# Altium PCB LCL Atari Punk V2.PcbDoc
Units mm, origin at the board's own origin, x right, y up, seen from the top; angles counter-clockwise.
Board outline 80 x 49 mm, 2 copper layers (Top Layer, Bottom Layer), stack 1.671 mm thick; 22 components, 12 nets, 81 pads, 0 vias.
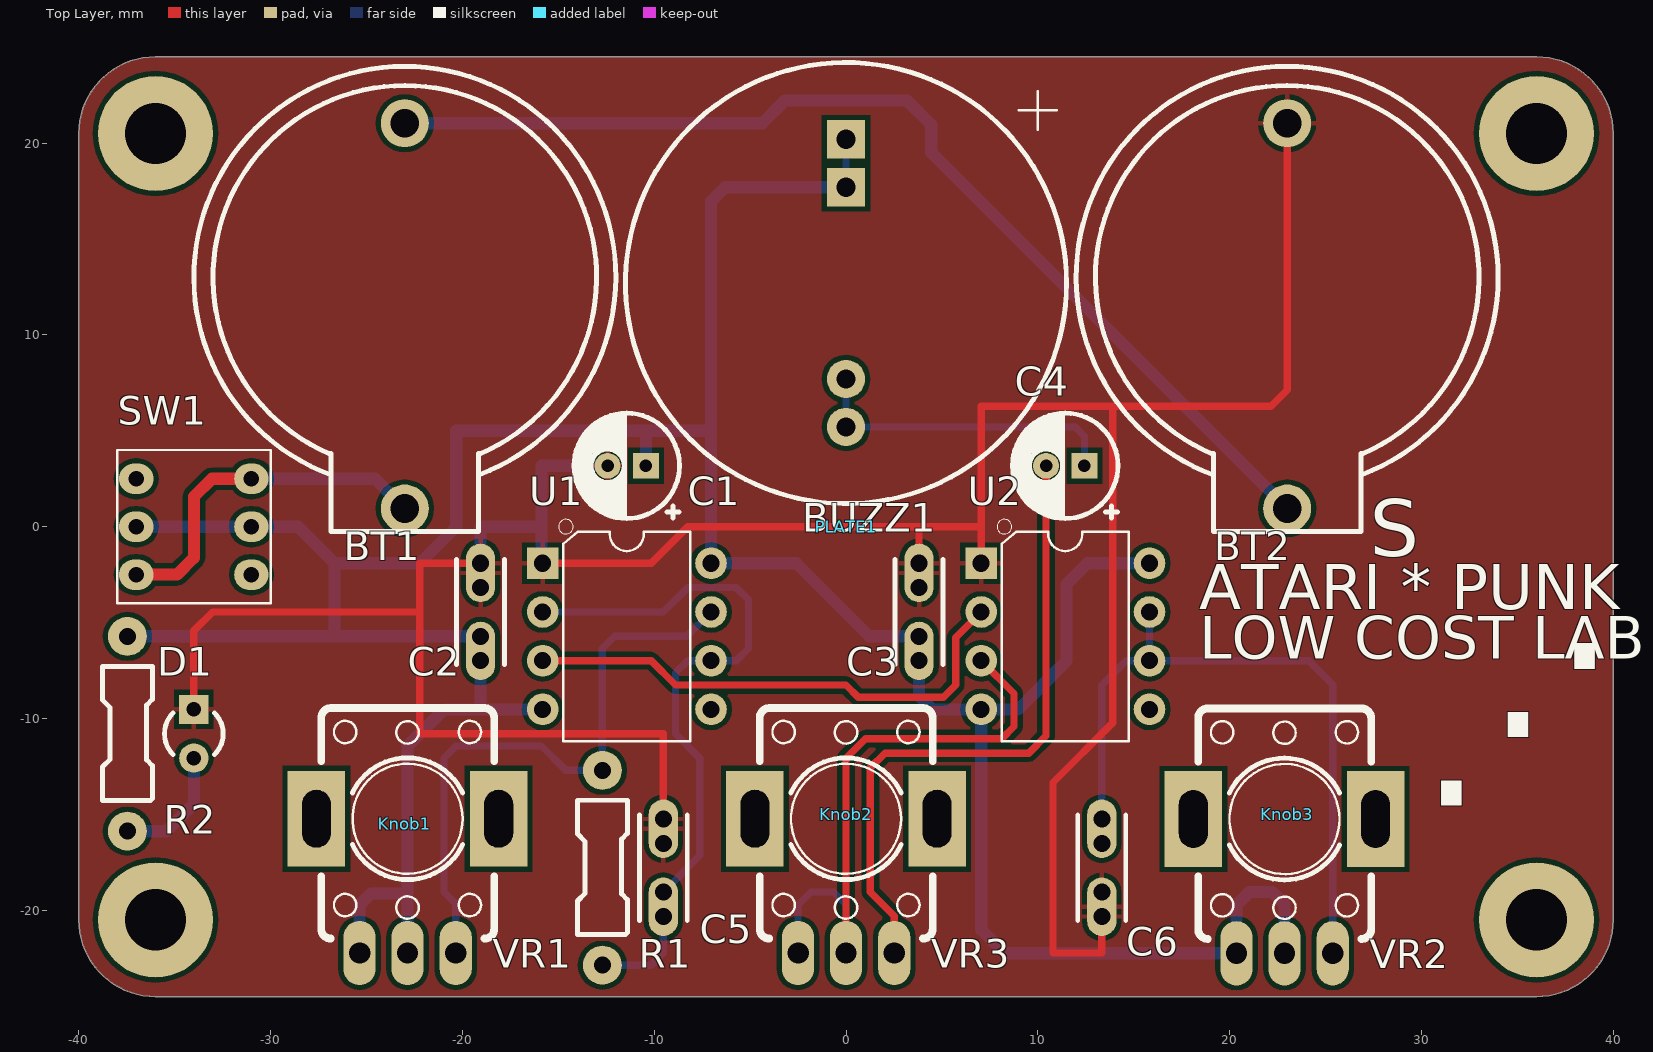
[diagram p0: Top Layer view]
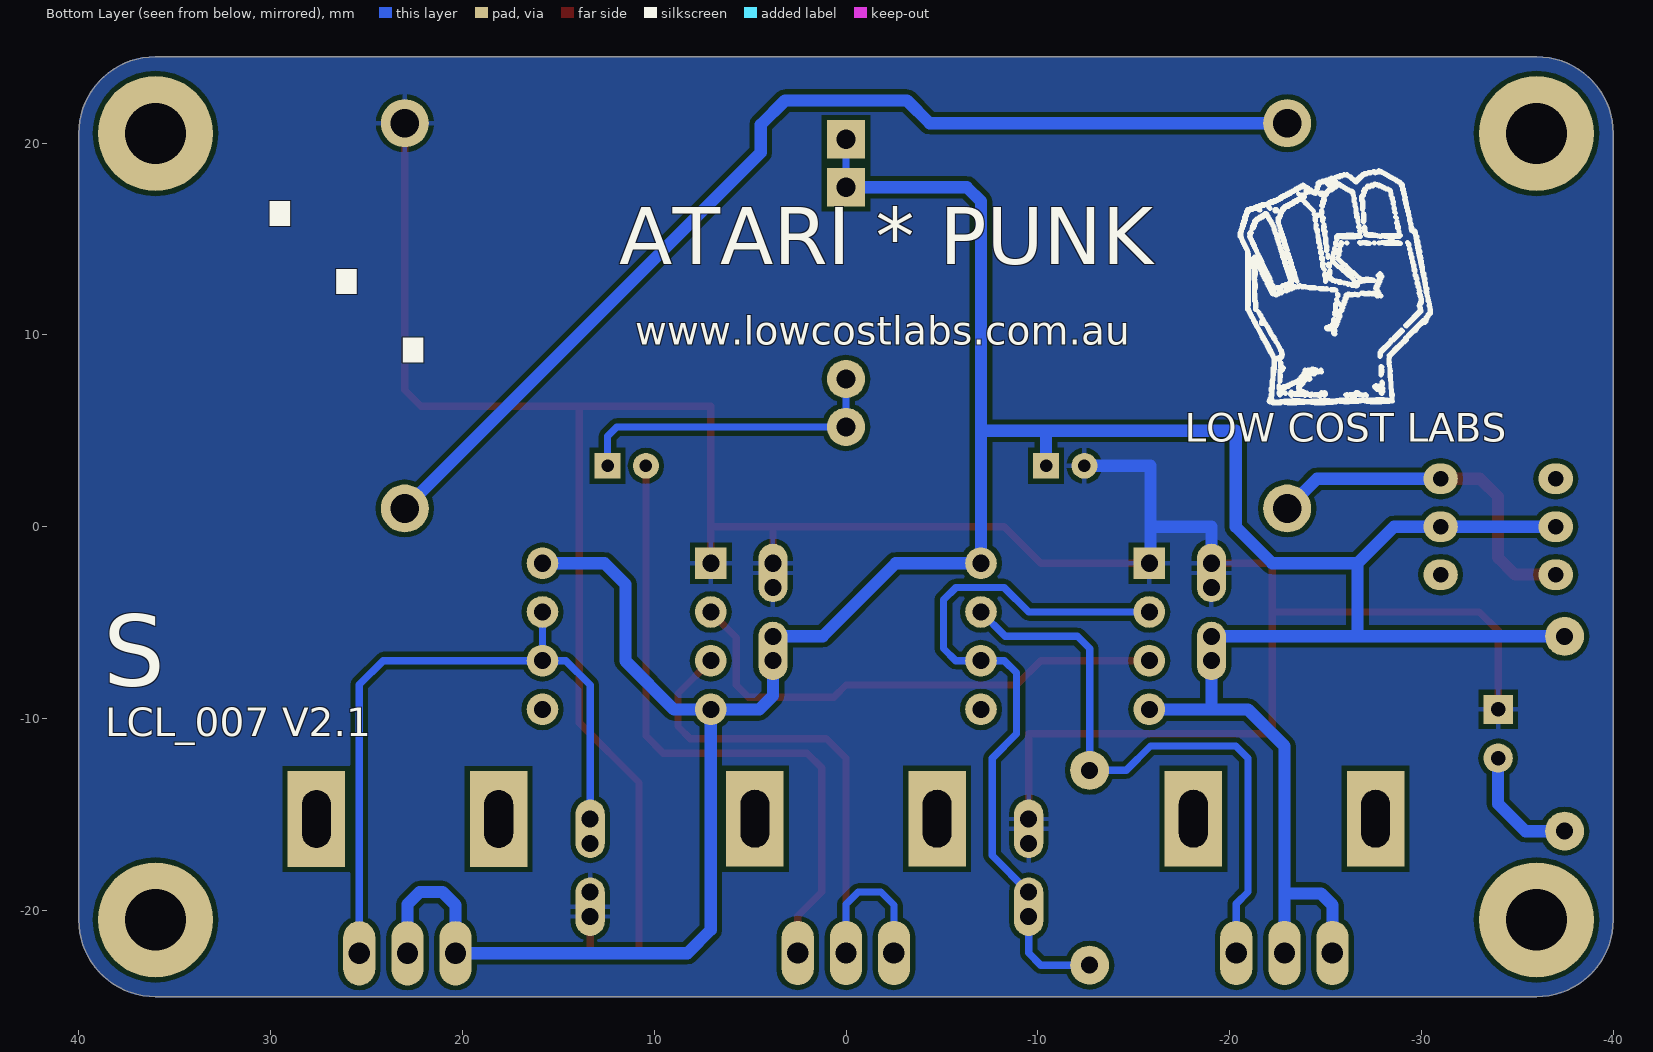
[diagram p1: Bottom Layer view, seen from below]

## Layer stack, top to bottom
Top Solder: solder mask 0.0102, Solder Resist, Dk 3.5
Top Layer: signal copper 0.0356
Dielectric 1: dielectric 1.6, FR-4, Dk 4.8
Bottom Layer: signal copper 0.0356
Bottom Solder: solder mask 0.0102, Solder Resist, Dk 3.5

## Board outline
-36,-24.5 cw(c-36,-20.5) -40,-20.5 -40,20.5 cw(c-36,20.5) -36,24.5 36,24.5 cw(c36,20.5) 40,20.5 40,-20.5 cw(c36,-20.5) 36,-24.5

## Design rules (kind name [scope] priority, off if disabled: settings)
AssemblyTestPointUsage AssemblyTestPointUsage_1 [All] p2:
AssemblyTestpoint AssemblyTestpoint_1 [All] p2: testpointundercomponent=TRUE minsize=1.016 maxsize=2.54 preferedsize=1.524 minholesize=0 maxholesize=1.016 preferedholesize=0.813 testpointgrid=0.025 usegrid=TRUE gridtolerance=0 allowsidetop=TRUE allowsidebottom=TRUE
Clearance [All] p1: gap=0.254 ignorepadtopadclearanceinfootprint=FALSE except(0: Arc-Hole Track-Hole SMDPad-Hole THPad-Hole Via-Hole Fill-Hole Poly-Hole Region-Hole Text-Hole)
Clearance Clearance_1 [All] p2: gap=0.254 ignorepadtopadclearanceinfootprint=FALSE except(0: Arc-Hole Track-Hole SMDPad-Hole THPad-Hole Via-Hole Fill-Hole Poly-Hole Region-Hole Text-Hole)
ComponentClearance ComponentClearance_1 [All] p2: gap=0.254 collisioncheckmode=3 verticalgap=0.254 showdistances=FALSE
DiffPairsRouting DiffPairsRouting_1 [All] p2: maxlimit=0.254 minlimit=0.254 mostfreqgap=0.254 toplayer_minwidth=0.381 toplayer_maxwidth=0.381 toplayer_prefwidth=0.381 bottomlayer_minwidth=0.381 bottomlayer_maxwidth=0.381 bottomlayer_prefwidth=0.381 maxuncoupledlength=12.7
FabricationTestPointUsage FabricationTestPointUsage_1 [All] p2: valid=0 allowmultiple=FALSE
FabricationTestpoint FabricationTestpoint_1 [All] p2: side=3 testpointundercomponent=TRUE minsize=1.016 maxsize=2.54 preferedsize=1.524 minholesize=0 maxholesize=1.016 preferedholesize=0.813 testpointgrid=0.025 allowsidetop=TRUE allowsidebottom=TRUE usegrid=TRUE gridtolerance=0
FanoutControl Fanout_LCC [IsLCC] p1: bgadir=Out bgaviamode=Centered fanoutstyle=Auto fanoutdirection=Alternating viagrid=0.025 // Fanout_LCC (Default Rule)
FanoutControl Fanout_BGA [IsBGA] p2: bgadir=Out bgaviamode=Centered fanoutstyle=Auto fanoutdirection=Alternating viagrid=0.025 // Fanout_BGA (Default Rule)
FanoutControl Fanout_Small [(CompPinCount < 5)] p3: bgadir=Out bgaviamode=Centered fanoutstyle=Auto fanoutdirection=OutThenIn viagrid=0.025 // Fanout_Small (Default Rule)
FanoutControl Fanout_SOIC [IsSOIC] p4: bgadir=Out bgaviamode=Centered fanoutstyle=Auto fanoutdirection=Alternating viagrid=0.025 // Fanout_SOIC (Default Rule)
FanoutControl Fanout_BGA_1 [IsBGA] p6: bgadir=Out bgaviamode=Centered fanoutstyle=Auto fanoutdirection=Alternating viagrid=0.025 // Fanout_BGA (Default Rule)
FanoutControl Fanout_LCC_1 [IsLCC] p7: bgadir=Out bgaviamode=Centered fanoutstyle=Auto fanoutdirection=Alternating viagrid=0.025 // Fanout_LCC (Default Rule)
FanoutControl Fanout_SOIC_1 [IsSOIC] p8: bgadir=Out bgaviamode=Centered fanoutstyle=Auto fanoutdirection=Alternating viagrid=0.025 // Fanout_SOIC (Default Rule)
FanoutControl Fanout_Small_1 [(CompPinCount < 5)] p9: bgadir=Out bgaviamode=Centered fanoutstyle=Auto fanoutdirection=OutThenIn viagrid=0.025 // Fanout_Small (Default Rule)
FanoutControl Fanout_Default_1 [All] p10: bgadir=Out bgaviamode=Centered fanoutstyle=Auto fanoutdirection=Alternating viagrid=0.025 // Fanout_Default (Default Rule)
Height Height_1 [All] p2: minheight=0 maxheight=25.4 prefheight=12.7
HoleSize HoleSize_1 [All] p2: absolutevalues=TRUE maxlimit=2.54 minlimit=0.025 maxpercent=80.000 minpercent=20.000
HoleToHoleClearance HoleToHoleClearance_1 [All] p2: gap=0.254 allowstackedmicrovias=TRUE
LayerPairs LayerPairs_1 [All] p2: enforce=TRUE
MinimumAnnularRing [All] p1: minimumring=0.254
MinimumSolderMaskSliver MinimumSolderMaskSliver_1 [All] p2: minsoldermaskwidth=0.254
NetAntennae NetAntennae_1 [All] p2: netantennaetolerance=0
PasteMaskExpansion PasteMaskExpansion_1 [All] p2: expansion=-0.2
PlaneClearance PlaneClearance_1 [All] p2: clearance=0.508
PlaneConnect PlaneConnect_1 [All] p2: planeconnectstyle=Relief reliefexpansion=0.508 reliefentries=4 reliefconductorwidth=0.254 reliefairgap=0.254
PolygonConnect [All] p1: connectstyle=Relief reliefconductorwidth=0.254 reliefentries=4 polygonreliefangle="90 Angle" airgapwidth=0.254
PolygonConnect PolygonConnect_1 [All] p2: connectstyle=Relief reliefconductorwidth=0.254 reliefentries=4 polygonreliefangle="90 Angle" airgapwidth=0.254
RoutingCorners RoutingCorners_1 [All] p2: cornerstyle=45-Degree minsetback=2.54 maxsetback=2.54
RoutingLayers RoutingLayers_1 [All] p2: top layer_v5=TRUE bottom layer_v5=TRUE
RoutingPriority RoutingPriority_1 [All] p2: routingpriority=0
RoutingTopology RoutingTopology_1 [All] p2: topology=Shortest
RoutingVias [All] p1: holewidth=0.711 width=1.27 viastyle="Through Hole" minholewidth=0.711 minwidth=1.27 maxholewidth=0.711 maxwidth=1.27
RoutingVias RoutingVias_1 [All] p2: holewidth=0.305 width=0.61 viastyle="Through Hole" minholewidth=0.305 minwidth=0.61 maxholewidth=0.61 maxwidth=1.27
ShortCircuit ShortCircuit_1 [All] p2: allowed=FALSE
SilkToBoardRegionClearance SilkToBoardRegionClearance_1 [All] p2:
SilkToSilkClearance SilkToSilkClearance_1 [All] p2: silktosilkclearance=0.254
SilkToSolderMaskClearance SilkToSolderMaskClearance_1 [IsPad] p2: minsilkscreentomaskgap=0.254 clearancetoexposedcopper=TRUE
SolderMaskExpansion [All] p1: expansion=0.102
SolderMaskExpansion SolderMaskExpansion_1 [HasFootprint('PCB-0wpew9alj3xmdtsx7yz2-1')] p2: expansion=0.102
SolderMaskExpansion "Solder Mask Fiducial" [HasFootprint('PCB-0wpew9alj3xmdtsx7yz2-1')] p3: expansion=0.1
UnRoutedNet UnRoutedNet_1 [All] p2:
UnpouredPolygon UnpouredPolygon_1 [All] p2:
Width [All] p1: maxlimit=0.254 minlimit=0.254 preferedwidth=0.254
Width Width_1 [All] p2: maxlimit=3.81 minlimit=0.254 preferedwidth=0.381
26 further rules are at their usual default settings.

## Components (designator, comment, footprint, x,y, rotation, side; value= is the part's Value field where it differs from the comment)
BT1 "CR2032 Battery Holder" PCB-dvcba8mzfnv4aqscf1uc-1 -23,13 r270 top
BT2 "CR2032 Battery Holder" PCB-dvcba8mzfnv4aqscf1uc-1 23,13 r270 top
BUZZ1 "STD20-07" PCB-fy5tm47je2z5a6wt53fs-1 0,12.7 r90 top
C1 "10uF" PCB-ekxurobr9mz5kbw5d2ks-1 -11.43,3.175 r180 top
C2 "10nF" PCB-5q3b1ntq00bqadu474q8-1 -19.05,-4.445 r270 top
C3 "10nF" PCB-5q3b1ntq00bqadu474q8-1 3.81,-4.445 r270 top
C4 "10uF" PCB-ekxurobr9mz5kbw5d2ks-1 11.43,3.175 r180 top
C5 "10nF" PCB-5q3b1ntq00bqadu474q8-1 -9.525,-17.78 r270 top
C6 "10nF" PCB-5q3b1ntq00bqadu474q8-1 13.335,-17.78 r90 top
D1 "LED 3mm Blue" PCB-6aozigmjsxd1tpg9bi5a-1 -34,-10.795 r90 top
Knob1 "RED" PCB-uiy5h88ywsirsj7o87r0-1 -23,-15.5 r45 top
Knob2 "GREEN" PCB-uiy5h88ywsirsj7o87r0-1 0,-15 r45 top
Knob3 "BLUE" PCB-uiy5h88ywsirsj7o87r0-1 23,-15 r45 top
PLATE1 "ATARI PUNK TOP PLATE" PCB-r61ct1i2zrjc296u1a17-1 0,0 r0 top
R1 "1k" PCB-ixiz65tg090k47x3fmi7-1 -12.7,-17.78 r90 top
R2 "1k" PCB-ixiz65tg090k47x3fmi7-1 -37.465,-10.795 r90 top
SW1 "APEM MHPS2283" PCB-3xh7x2auc3uid3bxc76z-1 -34,0 r180 top
U1 "TI NE555P" DIP8-2.54-10.9X6.6MM -11.43,-5.715 r270 top
U2 "TI NE555P" DIP8-2.54-10.9X6.6MM 11.43,-5.715 r270 top
VR1 "Res1" PCB-wc6scyizddradfuod10o-1 -22.86,-15.225 r0 top
VR2 "Res1" PCB-wc6scyizddradfuod10o-1 22.86,-15.24 r0 top
VR3 "Res1" PCB-wc6scyizddradfuod10o-1 0,-15.225 r0 top

## Footprints (in the part's own frame and the unit in brackets; to place one, negate y for a bottom-side part, rotate by r counter-clockwise, add the part's x,y. Pads: shape width x height; smd on the part's side, far side on the other; paste and mask are expansions set on the pad)
DIP8-2.54-10.9X6.6MM [mil] "DIP8-2.54-10.9X6.6MM"
  rect 65x65 hole 35: 1(-150,-172.5)
  round 65 hole 35: 2(-50,-172.5) 3(50,-172.5) 4(150,-172.5) 5(150,173) 6(50,173) 7(-50,173) 8(-150,173)
  silkscreen extent -240,-140 215,130, body extent -200,-178 200,178, height 200
PCB-3xh7x2auc3uid3bxc76z-1 [mm]
  oval 1.8x1.6 hole 0.8: 1(-3,-2.5) 2(-3,0) 3(-3,2.5) 4(3,-2.5) 5(3,0) 6(3,2.5)
  silkscreen extent -4,-4 4,4, body extent -4,-4 4,4, height 17.5
PCB-5q3b1ntq00bqadu474q8-1 [mil]
  round 60 hole 35: 1(-99.99,0) 2(100.01,0)
  oval 120x60 hole 35 copper offset -30,0: 1(-49.99,0)
  oval 120x60 hole 35 copper offset 30,0: 2(50.01,0)
  silkscreen extent -108,-49 108,49, body extent -108,-49 108,49, height 216
PCB-6aozigmjsxd1tpg9bi5a-1 [mil]
  round 60 hole 30: 1(-50,0)
  rect 60x60 hole 30: 2(50,0)
  silkscreen extent -43,-60 43,60, body extent -66,-65 61,65, height 196
PCB-dvcba8mzfnv4aqscf1uc-1 [mm]
  round 2.5 hole 1.5: 1(12.05,0) 2(-8.035,0)
  silkscreen extent -11,-11 13.25,11, body extent -11.45,-11 13.05,11, height 8.51
PCB-ekxurobr9mz5kbw5d2ks-1 [mm]
  rect 1.35x1.35 hole 0.65: 1(-1,0)
  round 1.35 hole 0.65: 2(1,0)
  silkscreen extent -2.75,-2.75 2.75,2.75, body extent -2.55,-2.64 2.58,2.49, height 5.03
PCB-fy5tm47je2z5a6wt53fs-1 [mm]
  rect 2x2 hole 1: 1(7.5,0)
  round 2 hole 1: 2(-7.5,0)
  silkscreen extent -11.5,-11.5 11.5,11.5, body extent -11.5,-11.49 11.5,11.49, height 9.83
PCB-ixiz65tg090k47x3fmi7-1 [mil]
  round 80 hole 35: 1(-200,0) 2(200,0)
  silkscreen extent -137,-51 138,51, body extent -212,-47 212,47, height 95
PCB-r61ct1i2zrjc296u1a17-1 [mm]
  body extent -40.06,-24.56 40.06,24.56, height 14.68
PCB-uiy5h88ywsirsj7o87r0-1 [mm]
  body extent -7.48,-7.46 7.46,7.46, height 27.21
PCB-wc6scyizddradfuod10o-1 [mm]
  oval 1.676x3.353 hole 1.118: 1(-2.5,-7) 2(0,-7) 3(2.515,-7)
  rect 3x5 hole 1.5 slot 3 at 90 deg: MOUNT(-4.75,0) MOUNT(4.75,0)
  silkscreen extent -4.5,-6.25 4.52,5.77, body extent -5.64,-7.15 5.64,5.5, height 21.03

## Part data
BT1 BT2: library part CMP-dvcba8mzfnv4aqscf1uc-2, "CR2032 Battery Holder, Through Hole, Horizontal Mount"
BUZZ1: library part CMP-pmjr7gi2f8i0k2q0oml6-1, "BUZZER STD20-07 (EFM2060) PIEZO PASSIVE BUZZER"
C1 C4: library part CMP-su2zmkw1kc3z49ns9isd-1, "5mm Through Hole Electrolytic 2mm Pitch, 5mm height"
C2 C3 C5 C6: library part CMP-f9eb30fd1b76262c-1, "Capacitor, Ceramic, 10000pF, 50VDC, 20-% Tol, 20+% Tol, X7R-TC Code, -15, 15%-TC"
D1: library part CMP-tzej1yqmv3j3170hmi0g-1, "3mm Blue Through Hole LED"
Knob1 Knob2 Knob3: library part CMP-8ktywbehqx0aixue8nez-1, "Pot Knob"
PLATE1: library part CMP-m1ejk5tgbv5wzvnlhkp4-6, "ATARI PUNK TOP PLATE ASSEMBLY WITH 10mm STANDOFFS AND SCREWS"
R1 R2: library part CMP-iaxfckaaxq3jb0c9euu5-1, "RESISITOR THROUGH HOLE 1/4W"
SW1: library part CMP-64d5adcf469dbb12-6, "Switch Key DPDT 0.1A 30VDC 1.76N PC Pins Thru-Hole"
U1 U2: library part CMP-8f734534f03350b4-2, "Peripheral circuit; astable/monostable, timer; 10 V; 500kHz; DIP8"
VR1 VR2 VR3: library part CMP-9d2d547574b442ea-5, "P090 Series 9 mm Top Adjustment 10 kOhm ±20 % Shaft Rotary Potentiometer"

## Free pads (board coordinates)
  rect 2x2 hole 1: 1(0,17.7)
  round 0.254 on Mech16: 1(129.085,-91.007) 1(129.085,-91.007) 1(129.099,-92.965) 1(129.099,-92.965) 1(133.843,-89.285) 1(133.843,-89.285)
  round 2 hole 1: 2(0,7.7)
  round 6 hole 3.2: MOUNT(-36,-20.5) MOUNT(-36,20.5) MOUNT(36,-20.5) MOUNT(36,20.5)

## Nets (pads, with @x,y where several pads share a name; then routed paths per layer and width w, separated by ;. In a path a pad name is that pad's centre, name@x,y a point inside that pad or via, vN(x,y) a via of type N, cw(c..) or ccw(c..) an arc to the next point about the centre after c; other vN are vias at no path point)
GND: BT2.2 C1.2 C2.1 C3.1 C5.1 C6.1 D1.2 U1.1 U2.1 | length 161.2
  Top Layer w0.381: D1.2 -34,-5.425 -33.02,-4.445 -22.225,-4.445 ; C2.1@-19.05,-1.905 -22.225,-1.905 -22.225,-4.445 ; U1.1 -10.16,-1.905 -8.255,0 3.81,0 ; C5.1@-9.525,-15.24 -9.525,-10.795 -22.225,-10.795 -22.225,-4.445 ; C3.1@3.81,-3.175 3.81,-1.905 3.81,0 ; U2.1 7.048,-0.064 ; C6.1@13.335,-19.05 13.335,-20.32 13.335,-22.225 10.795,-22.225 10.795,-13.335 13.906,-10.223 13.906,6.286 ; BT2.2 23,7.125 22.162,6.286 13.906,6.286 ; 3.81,0 6.985,0 7.048,-0.064 ; 7.048,-0.064 7.048,6.286 13.906,6.286
  Bottom Layer w0.635: C2.1@-19.05,-3.175 -19.05,-1.905 -19.05,0 -15.875,0 ; U1.1 -15.875,-1.841 -15.875,0 ; C1.2 -15.875,3.175 -15.875,0
NetBT1_1: BT1.1 SW1.1 SW1.6 | length 18.6
  Top Layer w0.635: SW1.6 -34.885,-2.5 -34,-1.615 -34,1.56 -33.06,2.5 SW1.1
  Bottom Layer w0.635: SW1.1 -24.55,2.5 BT1.1
NetBT1_2: BT1.2 BT2.1 | length 56.2
  Bottom Layer w0.635: BT1.2 -4.365,21.035 -3.175,22.225 3.175,22.225 4.445,20.955 4.445,19.505 BT2.1
NetBUZZ1_2: BUZZ1.2 C4.1 pad.2 | length 16.7
  Bottom Layer w0.381: pad.2 BUZZ1.2 11.945,5.2 12.43,4.715 C4.1
NetC4_2: C4.2 VR3.3 | length 34.1
  Top Layer w0.381: VR3.3 2.515,-20.295 1.27,-19.05 1.27,-12.573 2.032,-11.811 9.525,-11.811 10.43,-10.906 C4.2
NetC5_2: C5.2 R1.1 U1.2 U1.6 | length 36.5
  Bottom Layer w0.381: U1.2 -9.525,-4.445 -8.255,-3.175 -5.715,-3.175 -5.08,-3.81 -5.08,-6.35 -5.715,-6.985 U1.6 -8.255,-6.985 -8.89,-7.62 -8.89,-10.795 -7.62,-12.065 -7.62,-17.145 C5.2@-9.525,-19.05 ; R1.1 -10.16,-22.86 -9.525,-22.225 C5.2@-9.525,-20.32
NetC6_2: C6.2 U2.6 U2.7 VR2.3 | length 37.9
  Bottom Layer w0.381: C6.2@13.335,-16.51 13.335,-15.24 13.335,-8.255 14.605,-6.985 U2.6 ; U2.7 U2.6 ; VR2.3 25.375,-8.23 24.13,-6.985 U2.6
NetD1_1: D1.1 R2.1 | length 6.4
  Bottom Layer w0.635: R2.1 -35.42,-15.875 -34,-14.455 D1.1
NetR1_2: R1.2 U1.7 VR1.3 | length 32.3
  Bottom Layer w0.381: VR1.3 -20.345,-19.66 -20.955,-19.05 -20.955,-12.065 -20.32,-11.43 -15.875,-11.43 -14.605,-12.7 R1.2 -12.7,-6.35 -12.065,-5.715 -8.306,-5.715 U1.7
NetU1_3: U1.3 U2.2 | length 26.9
  Top Layer w0.381: U1.3 -10.16,-6.985 -8.89,-8.255 0,-8.255 0.635,-8.89 5.08,-8.89 5.715,-8.255 5.715,-5.779 U2.2
NetU2_3: U2.3 VR3.1 VR3.2 | length 31.8
  Top Layer w0.381: VR3.2 0,-12.065 1.016,-11.049 8.128,-11.049 8.763,-10.414 8.763,-8.7 U2.3
  Bottom Layer w0.381: VR3.1 -2.5,-19.725 -1.825,-19.05 -0.635,-19.05 0,-19.685 VR3.2
VCC: BUZZ1.1 C1.1 C2.2 C3.2 pad.1@0,17.7 R2.2 SW1.2 SW1.5 U1.4 U1.8 U2.4 U2.8 VR1.1 VR1.2 VR2.1 VR2.2 | length 183.7
  Bottom Layer w0.381: pad.1@0,17.7 BUZZ1.1
  Bottom Layer w0.635: R2.2 -26.67,-5.715 ; SW1.5 -34,0 SW1.2 -28.575,0 -26.67,-1.905 ; VR1.1 -25.36,-19.725 -24.765,-19.13 -22.94,-19.13 ; VR1.2 -22.86,-11.43 -20.955,-9.525 -19.05,-9.525 ; U1.4 -19.05,-9.525 ; C1.1 -10.43,4.93 -10.5,5 ; pad.1@0,17.7 -6.3,17.7 -7.036,16.964 -7.036,5 ; U2.8 12.595,-1.905 11.5,-3 11.5,-7 8.975,-9.525 U2.4 ; VR2.1 8.27,-22.24 7.048,-21.018 U2.4 ; VR2.1@20.36,-22.225 20.36,-19.725 21.035,-19.05 22.225,-19.05 22.86,-19.685 VR2.2@22.86,-22.225 ; -26.67,-5.715 -19.05,-5.715 -19.05,-6.985 -19.05,-9.525 ; -26.67,-5.715 -26.67,-1.905 ; -26.67,-1.905 -22.225,-1.905 -20.32,0 -20.32,5 -10.5,5 ; -10.5,5 -7.036,5 ; -7.036,5 U1.8 -2.595,-1.905 1.215,-5.715 3.81,-5.715 3.81,-6.985 3.81,-8.81 4.525,-9.525 U2.4
pads on no net: SW1.3 SW1.4 U1.5 U2.5 VR1.MOUNT VR2.MOUNT VR3.MOUNT

## Polygon pours and split planes (outlines as drawn)
no net on Bottom Layer "BOTTOM - GND" (solid, remove dead copper, shelved, pour order 7): -36,-24.5 cw(c-36,-20.5) -40,-20.5 -40,20.5 cw(c-36,20.5) -36,24.5 36,24.5 cw(c36,20.5) 40,20.5 40,-20.5 cw(c36,-20.5) 36,-24.5
GND on Bottom Layer "BOTTOM - GND" (solid, remove dead copper, pour order 2): -36,-24.5 cw(c-36,-20.5) -40,-20.5 -40,20.5 cw(c-36,20.5) -36,24.5 36,24.5 cw(c36,20.5) 40,20.5 40,-20.5 cw(c36,-20.5) 36,-24.5
GND on Top Layer "TOP - GND" (solid, remove dead copper, pour order 5): -36,-24.5 cw(c-36,-20.5) -40,-20.5 -40,20.5 cw(c-36,20.5) -36,24.5 36,24.5 cw(c36,20.5) 40,20.5 40,-20.5 cw(c36,-20.5) 36,-24.5

## Silkscreen, mask and mechanical layers (free items; w line width, h text height)
Top Overlay:
  text "S" at 27.305,-2.54 h5.08
  text "ATARI * PUNK" at 18.415,-5.08 h4
  text "LOW COST LABS" at 18.415,-7.62 h3.81
  text "⋰" at 29.845,-16.51 h15.24
Bottom Overlay:
  drawing of 3736 lines, arcs and shapes, not listed
  text "ATARI * PUNK" at 11.811,12.7 h5.08
  text "www.lowcostlabs.com.au" at 11,9 h2.54
  text "⋱" at 31.242,6.604 h15.24
  text "LOW COST LABS" at -17.653,3.937 h2.54
  text "S" at 38.735,-9.525 h6.35
  text "LCL_007 V2.1" at 38.608,-11.43 h2.54
Outline:
  the board outline again, w0.254
Mechanical 10:
  lines w0.254: -35.18,-10.795 -34,-10.795 -32.82,-10.795 ; -34.635,0 -33.365,0 ; -34,-12.065 -34,-9.525 ; -34,-0.635 -34,0.635 ; -24.13,-15.24 -22.86,-15.24 22.86,-15.24 ; -22.86,-16.51 -22.86,-13.97 ; -0.635,12.7 0.635,12.7 ; 0,-16.51 0,-13.97 ; 0,7.7 0,17.7 ; 22.86,-16.51 22.86,-15.24 ; 22.86,-13.97 22.86,-15.24 ; 24.13,-15.24 22.86,-15.24
Mechanical 32:
  drawing of 657 lines, arcs and shapes, not listed
  text "1" at -118,101.5 h2.54
  text "2" at -35,101.5 h2.54
  text "3" at 40,101.5 h2.54
  text "4" at 111.5,101.5 h2.54
  text "A" at -146.5,78.5 h2.54
  text "A" at 145.5,78.5 h2.54
  text "B" at -147,25.5 h2.54
  text "B" at 145,25.5 h2.54
  text "C" at -146.5,-28.5 h2.54
  text "C" at 145.5,-28.5 h2.54
  text "D" at -146.5,-82.5 h2.54
  text "D" at 145.5,-82.5 h2.54
  text "LOW COST LABS" at 68.5,-84 h2.54
  text "TITLE: Atari Punk" at 35,-89.5 h2.54
  text "ludzinc.blogspot.com.au" at 94.615,-90.805 h2.54
  text "SIZE: A4" at 35,-94 h2.54
  text "Number: LCL_007" at 56,-94 h2.54
  text "Revison 2.1" at 76,-94 h2.54
  text "www.lowcostlabs.com.au" at 95,-94 h2.54
  text "DATE:" at 35,-97 h2.54
  text ".Print_Date" at 41,-97 h2.54
  text "SHEET 1 of 1" at 76,-97 h2.54
  text "FILE:" at 35,-99.5 h2.54
  text ".Pcb_File_Name" at 41,-99.5 h2.54
  text "S" at -143.5,-100 h12.7
  text "1" at -118,-103 h2.54
  text "2" at -35,-103 h2.54
  text "3" at 40,-103 h2.54
  text "4" at 111.5,-103 h2.54